# Altium PCB miniBackplane.PcbDoc (part 11 of 24) (continued)
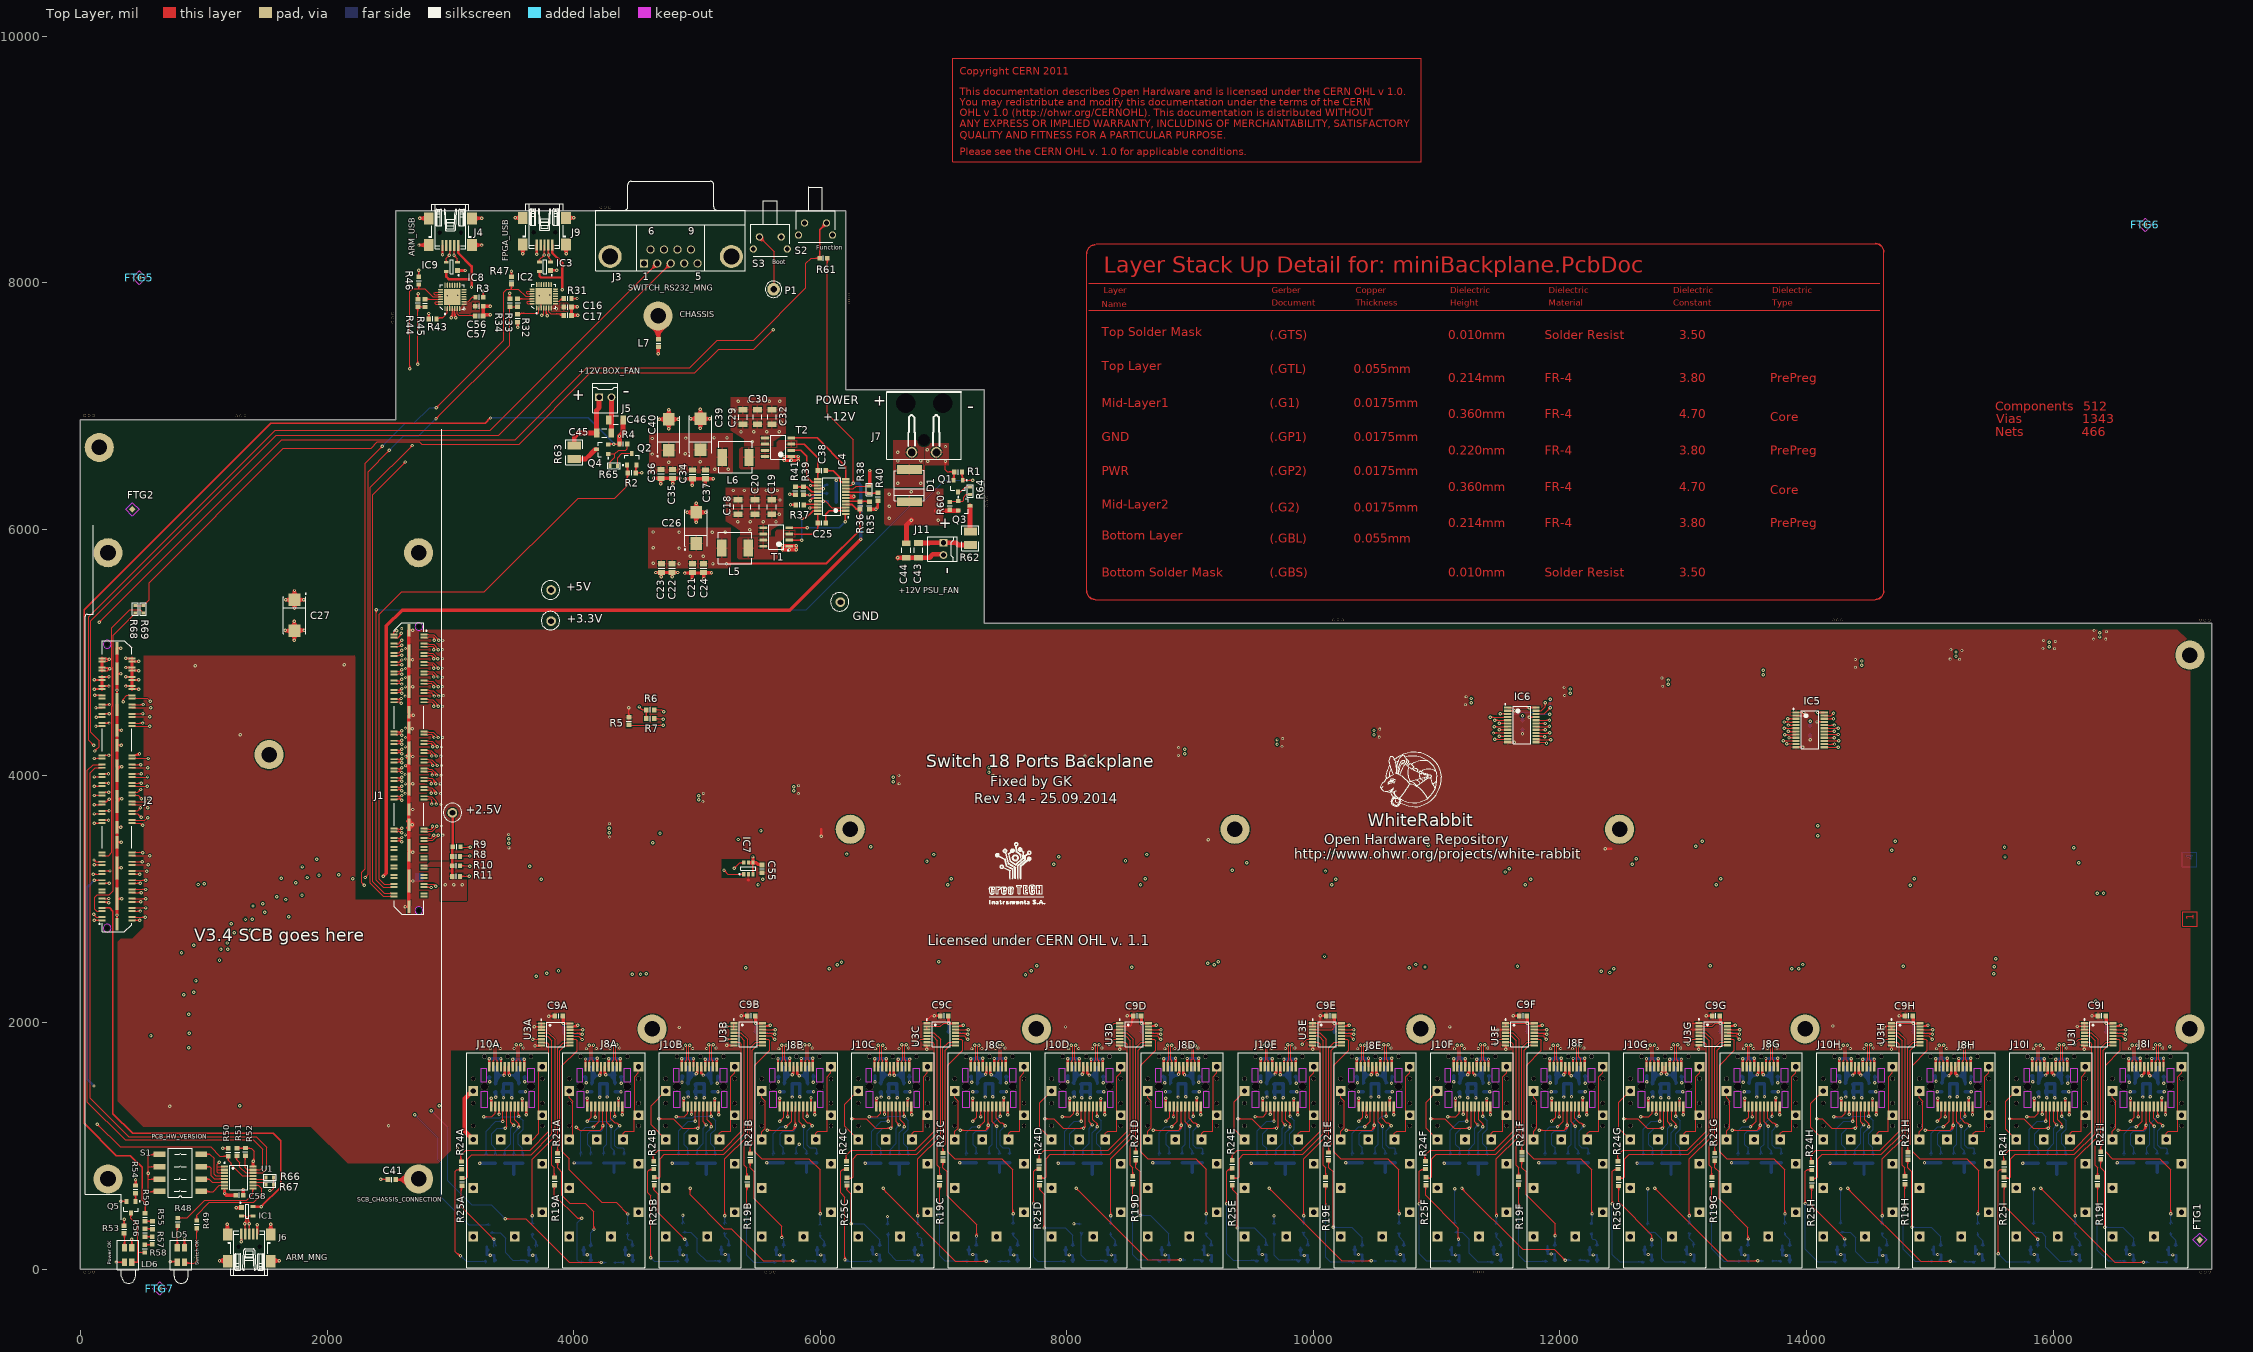
[diagram p0: Top Layer view]
## Nets (pads, with @x,y where several pads share a name; then routed paths per layer and width w, separated by ;. In a path a pad name is that pad's centre, name@x,y a point inside that pad or via, vN(x,y) a via of type N, cw(c..) or ccw(c..) an arc to the next point about the centre after c; other vN are vias at no path point) (continued)
3314.98,1537.02 ; 3356.31,99.36 ccw(c3398.27,99.36) 3368.6,69.69 cw(c3398.27,99.36) 3356.31,99.36 ; LD3A.1@3631.43,155.35 cw(c3616.02,139.94) 3637.81,139.94 ccw(c3616.02,139.94) LD3A.1@3631.43,155.35 ; 3637.81,130.43 cw(c3673.05,130.43) 3648.13,155.35 ccw(c3673.05,130.43) 3637.81,130.43 ; 3694.9,99.36 ccw(c3736.85,99.36) 3707.19,69.69 cw(c3736.85,99.36) 3694.9,99.36 ; LD2A.1@4072.37,155.35 cw(c4047.46,130.43) 4082.69,130.43 ccw(c4047.46,130.43) LD2A.1@4072.37,155.35 ; 4082.69,139.94 cw(c4104.49,139.94) 4089.08,155.35 ccw(c4104.49,139.94) 4082.69,139.94 ; C4A.2@4086.85,1558.6 cw(c4049.36,1521.11) 4102.38,1521.11 ccw(c4049.36,1521.11) C4A.2@4086.85,1558.6 ; 5165.76,1532.27 cw(c5205.34,1532.27) 5177.36,1560.26 ccw(c5205.34,1532.27) 5165.76,1532.27 ; LD4C.1@6415.29,157.01 cw(c6390.37,132.1) 6425.61,132.1 ccw(c6390.37,132.1) LD4C.1@6415.29,157.01 ; 6425.61,141.6 cw(c6447.4,141.6) 6431.99,157.01 ccw(c6447.4,141.6) 6425.61,141.6 ; 6722.44,1529.02 ccw(c6738.67,1529.02) 6727.19,1517.55 cw(c6738.67,1529.02) 6722.44,1529.02 ; C4C.2@7217.16,1560.27 cw(c7189.18,1532.28) 7228.76,1532.28 ccw(c7189.18,1532.28) C4C.2@7217.16,1560.27 ; 9071.28,1532.28 cw(c9110.86,1532.28) 9082.87,1560.27 ccw(c9110.86,1532.28) 9071.28,1532.28 ; LD1D.1@9104.26,157.01 cw(c9074.59,127.34) 9116.55,127.34 ccw(c9074.59,127.34) LD1D.1@9104.26,157.01 ; LD1D.4@9163.32,71.35 ccw(c9133.65,101.02) 9175.61,101.02 cw(c9133.65,101.02) LD1D.4@9163.32,71.35 ; C15E.1@9851.02,1560.27 cw(c9823.03,1532.28) 9862.61,1532.28 ccw(c9823.03,1532.28) C15E.1@9851.02,1560.27 ; C4E.2@10343.15,1560.27 cw(c10305.66,1522.77) 10358.68,1522.77 ccw(c10305.66,1522.77) C4E.2@10343.15,1560.27 ; 10634.27,1532.28 cw(c10673.85,1532.28) 10645.86,1560.27 ccw(c10673.85,1532.28) 10634.27,1532.28 ; LD4F.1@11111.7,157.01 cw(c11082.04,127.34) 11123.99,127.34 ccw(c11082.04,127.34) LD4F.1@11111.7,157.01 ; LD4F.4@11170.76,71.35 ccw(c11141.09,101.02) 11183.05,101.02 cw(c11141.09,101.02) LD4F.4@11170.76,71.35 ; C4F.2@11909.64,1560.27 cw(c11879.62,1530.25) 11922.08,1530.25 ccw(c11879.62,1530.25) C4F.2@11909.64,1560.27 ; LD3G.1@13017.22,157.01 cw(c12987.55,127.34) 13029.5,127.34 ccw(c12987.55,127.34) LD3G.1@13017.22,157.01 ; LD3G.4@13076.27,71.35 ccw(c13046.6,101.02) 13088.56,101.02 cw(c13046.6,101.02) LD3G.4@13076.27,71.35 ; LD2G.1@13458.16,157.01 cw(c13428.49,127.34) 13470.45,127.34 ccw(c13428.49,127.34) LD2G.1@13458.16,157.01 ; C4G.2@13472.64,1560.27 cw(c13435.14,1522.77) 13488.17,1522.77 ccw(c13435.14,1522.77) C4G.2@13472.64,1560.27 ; LD2G.4@13517.22,71.35 ccw(c13487.55,101.02) 13529.5,101.02 cw(c13487.55,101.02) LD2G.4@13517.22,71.35 ; 14588.56,127.34 cw(c14630.51,127.34) 14600.85,157.01 ccw(c14630.51,127.34) 14588.56,127.34 ; 14647.61,101.02 ccw(c14689.57,101.02) 14659.9,71.35 cw(c14689.57,101.02) 14647.61,101.02 ; LD2H.1@15021.15,157.01 cw(c14991.49,127.34) 15033.44,127.34 ccw(c14991.49,127.34) LD2H.1@15021.15,157.01 ; C4H.2@15035.63,1564.2 cw(c14999.26,1527.83) 15050.69,1527.83 ccw(c14999.26,1527.83) C4H.2@15035.63,1564.2 ; LD2H.4@15080.21,71.35 ccw(c15050.54,101.02) 15092.5,101.02 cw(c15050.54,101.02) LD2H.4@15080.21,71.35 ; 15330.68,1532.28 cw(c15370.26,1532.28) 15342.28,1560.27 ccw(c15370.26,1532.28) 15330.68,1532.28 ; 15368.09,127.34 cw(c15410.04,127.34) 15380.38,157.01 ccw(c15410.04,127.34) 15368.09,127.34 ; 15427.14,101.02 ccw(c15469.1,101.02) 15439.43,71.35 cw(c15469.1,101.02) 15427.14,101.02 ; C4I.2@16603.62,1564.2 cw(c16566.21,1526.79) 16619.12,1526.79 ccw(c16566.21,1526.79) C4I.2@16603.62,1564.2 ; LD1I.1@16927.73,157.01 cw(c16898.06,127.34) 16940.02,127.34 ccw(c16898.06,127.34) LD1I.1@16927.73,157.01 ; LD1I.4@16986.78,71.35 ccw(c16957.11,101.02) 16999.07,101.02 cw(c16957.11,101.02) LD1I.4@16986.78,71.35
  Bottom Layer w27.56: v1(3316.46,1705.17) v1@3410.43,1705.17 ; v1(3368.17,1393.46) C12A.2@3368.17,1436.96 ; v1(3505.43,1701.2) v1@3599.41,1701.2 ; C14A.2@3561.17,1436.96 v1(3609.67,1436.96) ; v1(4096.46,1703.75) v1@4186.46,1703.75 ; v1(4109.67,1436.96) C5A.2@4148.17,1436.96 ; v1(4285.43,1706.2) v1@4379.41,1706.2 ; C7A.2@4336.17,1436.96 v1(4384.67,1436.96) ; v1(4877.91,1706.83) v1@4971.89,1706.83 ; v1(4879.43,1515.74) 4879.63,1515.94 C11B.2@4879.63,1568.61 ; v1(4929.63,1395.11) C12B.2@4929.63,1438.61 ; v1(5066.89,1702.85) v1@5160.87,1702.85 ; C14B.2@5122.62,1438.61 v1(5171.13,1438.61) ; v1(5657.91,1705.4) v1@5747.91,1705.4 ; v1(5671.13,1438.61) C5B.2@5709.63,1438.61 ; v1(5846.89,1707.85) v1@5940.87,1707.85 ; C7B.2@5897.62,1438.61 v1(5946.13,1438.61) ; C28.1@6130.32,6220.94 C31.2@6130.32,6290.94 R42.2@6130.32,6360.94 v1@6130.32,6391.75 ; v1(6442.91,1706.83) v1@6536.89,1706.83 ; v1(6444.63,1520.12) C11C.2@6444.63,1568.62 ; v1(6494.63,1395.12) C12C.2@6494.63,1438.62 ; v1(6631.89,1702.86) v1@6725.87,1702.86 ; C14C.2@6687.62,1438.62 v1(6728.35,1438.62) ; v1(7222.91,1705.41) v1@7312.91,1705.41 ; v1(7236.13,1438.62) C5C.2@7274.63,1438.62 ; v1(7411.89,1707.86) v1@7505.87,1707.86 ; C7C.2@7462.62,1438.62 v1(7511.13,1438.62) ; v1(8007.91,1706.83) v1@8101.89,1706.83 ; v1(8009.63,1520.12) C11D.2@8009.63,1568.62 ; v1(8059.63,1395.12) C12D.2@8059.63,1438.62 ; v1(8196.89,1702.86) v1@8290.87,1702.86 ; C14D.2@8252.62,1438.62 v1(8301.13,1438.62) ; v1(8787.91,1705.41) v1@8877.91,1705.41 ; v1(8793.37,1511.8) C4D.2@8793.37,1554.88 ; v1(8801.13,1438.62) C5D.2@8839.63,1438.62 ; v1(8976.89,1707.86) v1@9070.87,1707.86 ; C7D.2@9027.62,1438.62 v1(9076.13,1438.62) ; v1(9572.91,1706.83) v1@9666.89,1706.83 ; v1(9574.63,1520.12) C11E.2@9574.63,1568.62 ; v1(9624.63,1395.12) C12E.2@9624.63,1438.62 ; v1(9761.89,1702.86) v1@9855.87,1702.86 ; C14E.2@9817.62,1438.62 v1(9866.13,1438.62) ; v1(10352.91,1705.41) v1@10442.91,1705.41 ; v1(10366.13,1438.62) C5E.2@10404.63,1438.62 ; v1(10541.89,1707.86) v1@10635.87,1707.86 ; C7E.2@10592.62,1438.62 v1(10641.13,1438.62) ; v1(11137.48,1706.83) v1@11231.46,1706.83 ; v1(11139.2,1520.12) C11F.2@11139.2,1568.62 ; v1(11189.2,1395.12) C12F.2@11189.2,1438.62 ; v1(11326.46,1702.86) v1@11420.43,1702.86 ; C14F.2@11382.19,1438.62 v1(11430.69,1438.62) ; v1(11917.48,1705.41) v1@12007.48,1705.41 ; v1(11930.69,1438.62) C5F.2@11969.2,1438.62 ; v1(12106.46,1707.86) v1@12200.43,1707.86 ; C7F.2@12157.19,1438.62 v1(12205.69,1438.62) ; v1(12702.48,1706.83) v1@12796.46,1706.83 ; v1(12704.2,1520.12) C11G.2@12704.2,1568.62 ; v1(12754.2,1395.12) C12G.2@12754.2,1438.62 ; v1(12891.46,1702.86) v1@12985.43,1702.86 ; C14G.2@12947.19,1438.62 v1(12995.69,1438.62) ; v1(13482.48,1705.41) v1@13572.48,1705.41 ; v1(13495.69,1438.62) C5G.2@13534.2,1438.62 ; v1(13671.46,1707.86) v1@13765.43,1707.86 ; C7G.2@13722.19,1438.62 v1(13770.69,1438.62) ; v1(14267.48,1706.83) v1@14361.46,1706.83 ; v1(14269.2,1520.12) C11H.2@14269.2,1568.62 ; v1(14319.2,1395.12) C12H.2@14319.2,1438.62 ; v1(14456.46,1702.86) v1@14550.43,1702.86 ; C14H.2@14512.19,1438.62 v1(14560.69,1438.62) ; v1(15047.48,1705.41) v1@15137.48,1705.41 ; v1(15060.69,1438.62) C5H.2@15099.2,1438.62 ; v1(15236.46,1707.86) v1@15330.43,1707.86 ; C7H.2@15287.19,1438.62 v1(15335.69,1438.62) ; v1(15832.48,1706.83) v1@15926.46,1706.83 ; v1(15834.2,1520.12) C11I.2@15834.2,1568.62 ; v1(15884.2,1395.12) C12I.2@15884.2,1438.62 ; v1(16021.46,1702.86) v1@16115.43,1702.86 ; C14I.2@16077.19,1438.62 v1(16125.69,1438.62) ; v1(16612.48,1705.41) v1@16702.48,1705.41 ; v1(16625.69,1438.62) C5I.2@16664.2,1438.62 ; v1(16801.46,1707.86) v1@16895.43,1707.86 ; C7I.2@16852.19,1438.62 v1(16900.69,1438.62) ; C12A.2@3359.69,1432.5 cw(c3339.22,1412.02) 3368.17,1412.02 ccw(c3339.22,1412.02) C12A.2@3359.69,1432.5 ; 4120.44,1703.75 ccw(c4120.44,1731.71) 4140.21,1711.94 cw(c4120.44,1731.71) 4120.44,1703.75 ; C3A.1@4149.13,1711.94 ccw(c4168.9,1731.71) 4168.9,1703.75 cw(c4168.9,1731.71) C3A.1@4149.13,1711.94 ; 4879.63,1544.84 cw(c4905.38,1544.84) 4887.17,1563.04 ccw(c4905.38,1544.84) 4879.63,1544.84 ; C12B.2@4921.15,1434.15 cw(c4900.68,1413.68) 4929.63,1413.68 ccw(c4900.68,1413.68) C12B.2@4921.15,1434.15 ; 5681.89,1705.4 ccw(c5681.89,1733.36) 5701.66,1713.59 cw(c5681.89,1733.36) 5681.89,1705.4 ; C3B.1@5710.59,1713.59 ccw(c5730.36,1733.36) 5730.36,1705.4 cw(c5730.36,1733.36) C3B.1@5710.59,1713.59 ; C12C.2@6486.15,1434.16 cw(c6465.68,1413.69) 6494.63,1413.69 ccw(c6465.68,1413.69) C12C.2@6486.15,1434.16 ; 6656.03,1702.86 ccw(c6656.03,1727.83) 6673.69,1710.17 cw(c6656.03,1727.83) 6656.03,1702.86 ; C13C.2@6682.61,1710.17 ccw(c6700.27,1727.83) 6700.27,1702.86 cw(c6700.27,1727.83) C13C.2@6682.61,1710.17 ; 7246.89,1705.41 ccw(c7246.89,1733.37) 7266.66,1713.6 cw(c7246.89,1733.37) 7246.89,1705.41 ; C3C.1@7275.59,1713.6 ccw(c7295.36,1733.37) 7295.36,1705.41 cw(c7295.36,1733.37) C3C.1@7275.59,1713.6 ; C12D.2@8051.15,1434.16 cw(c8030.68,1413.69) 8059.63,1413.69 ccw(c8030.68,1413.69) C12D.2@8051.15,1434.16 ; C4D.2@8782.94,1563.05 cw(c8757.75,1537.86) 8793.37,1537.86 ccw(c8757.75,1537.86) C4D.2@8782.94,1563.05 ; 8811.89,1705.41 ccw(c8811.89,1733.37) 8831.66,1713.6 cw(c8811.89,1733.37) 8811.89,1705.41 ; C3D.1@8840.59,1713.6 ccw(c8860.36,1733.37) 8860.36,1705.41 cw(c8860.36,1733.37) C3D.1@8840.59,1713.6 ; C12E.2@9616.15,1434.16 cw(c9595.68,1413.69) 9624.63,1413.69 ccw(c9595.68,1413.69) C12E.2@9616.15,1434.16 ; 10376.89,1705.41 ccw(c10376.89,1733.37) 10396.66,1713.6 cw(c10376.89,1733.37) 10376.89,1705.41 ; C3E.1@10405.59,1713.6 ccw(c10425.36,1733.37) 10425.36,1705.41 cw(c10425.36,1733.37) C3E.1@10405.59,1713.6 ; 11158.22,1706.83 ccw(c11158.22,1738.42) 11180.55,1716.09 cw(c11158.22,1738.42) 11158.22,1706.83 ; C12F.2@11180.72,1434.16 cw(c11160.24,1413.69) 11189.2,1413.69 ccw(c11160.24,1413.69) C12F.2@11180.72,1434.16 ; C10F.1@11189.48,1716.09 ccw(c11211.82,1738.42) 11211.82,1706.83 cw(c11211.82,1738.42) C10F.1@11189.48,1716.09 ; 11347.1,1702.86 ccw(c11347.1,1734.58) 11369.53,1712.15 cw(c11347.1,1734.58) 11347.1,1702.86 ; C13F.2@11378.46,1712.15 ccw(c11400.89,1734.58) 11400.89,1702.86 cw(c11400.89,1734.58) C13F.2@11378.46,1712.15 ; 11941.46,1705.41 ccw(c11941.46,1733.37) 11961.23,1713.6 cw(c11941.46,1733.37) 11941.46,1705.41 ; C3F.1@11970.16,1713.6 ccw(c11989.93,1733.37) 11989.93,1705.41 cw(c11989.93,1733.37) C3F.1@11970.16,1713.6 ; C12G.2@12745.72,1434.16 cw(c12725.24,1413.69) 12754.2,1413.69 ccw(c12725.24,1413.69) C12G.2@12745.72,1434.16 ; 13506.46,1705.41 ccw(c13506.46,1733.37) 13526.23,1713.6 cw(c13506.46,1733.37) 13506.46,1705.41 ; C3G.1@13535.16,1713.6 ccw(c13554.93,1733.37) 13554.93,1705.41 cw(c13554.93,1733.37) C3G.1@13535.16,1713.6 ; C11H.2@14258.88,1566.99 cw(c14233.99,1542.09) 14269.2,1542.09 ccw(c14233.99,1542.09) C11H.2@14258.88,1566.99 ; C12H.2@14310.72,1434.16 cw(c14290.24,1413.69) 14319.2,1413.69 ccw(c14290.24,1413.69) C12H.2@14310.72,1434.16 ; 15071.46,1705.41 ccw(c15071.46,1733.37) 15091.23,1713.6 cw(c15071.46,1733.37) 15071.46,1705.41 ; C3H.1@15100.16,1713.6 ccw(c15119.93,1733.37) 15119.93,1705.41 cw(c15119.93,1733.37) C3H.1@15100.16,1713.6 ; C11I.2@15826.88,1566.99 cw(c15809.2,1549.31) 15834.2,1549.31 ccw(c15809.2,1549.31) C11I.2@15826.88,1566.99 ; C12I.2@15875.72,1434.16 cw(c15855.24,1413.69) 15884.2,1413.69 ccw(c15855.24,1413.69) C12I.2@15875.72,1434.16 ; 16636.46,1705.41 ccw(c16636.46,1733.37) 16656.23,1713.6 cw(c16636.46,1733.37) 16636.46,1705.41 ; C3I.1@16665.16,1713.6 ccw(c16684.93,1733.37) 16684.93,1705.41 cw(c16684.93,1733.37) C3I.1@16665.16,1713.6
  other v1: 844,244 2499,1162 726,1319 6458.66,1386.16 4385.84,1506.22 6724.41,1514.76 11496.04,1940.95 4855.91,1959.6 7989.76,1963.54 11107.44,1963.54 14213.74,1971.42 9146.83,3483.22 1297,4334 931,4892 2139,4902 1660.58,5179.94 5914.2,6172.87 5674.2,6237.87 5267.44,6248.32 5296.04,6315.24 5384.93,6315.24 5473.82,6315.24 5562.72,6315.24 5651.61,6315.24 6129.2,6397.87 6871.36,6551.46 6869.8,6645.95 7016.36,6671.46 5689.2,6967.87 5306.81,6968.79 5334.37,7039.65 5419.02,7039.65 5503.66,7039.65 5588.31,7039.65 5672.95,7039.65 2976,7893 3719.67,7892.76 3062,7898 3806.29,7900.64
  other v2: 3323.98,1787 4103.98,1787 4885.43,1787 5665.43,1787 6447.93,1787 7230.43,1787 8015.43,1787 8795.43,1787 9580.43,1787 10360.43,1787 11145,1787 11925,1787 12710,1787 13490,1787 14275,1787 15055,1787 15840,1787 16620,1787 12102,1788 3404.98,1789 3516.98,1789 4184.98,1789 4296.98,1789 4966.43,1789 5078.43,1789 5746.43,1789 5858.43,1789 6528.93,1789 6640.93,1789 7311.43,1789 7423.43,1789 8096.43,1789 8208.43,1789 8876.43,1789 9661.43,1789 9773.43,1789 10441.43,1789 10553.43,1789 11226,1789 11338,1789 12006,1789 12791,1789 12903,1789 13571,1789 13683,1789 14356,1789 14468,1789 15136,1789 15248,1789 15921,1789 16033,1789 16701,1789 16813,1789 8980,1790 3593.98,1793 4373.98,1793 5155.43,1793 5935.43,1793 6717.93,1793 7500.43,1793 8285.43,1793 9065.43,1793 9850.43,1793 10630.43,1793 11415,1793 12195,1793 12980,1793 13760,1793 14545,1793 15325,1793 16110,1793 16890,1793 3475.15,3416.58 4292,3503 2940,3520 2636,3521 3473.15,3525.58 2929,3593 4290,3612 2925,3769 5049,3792 2921,3857 5824,3857 5052,3858 2633,3859 5825,3920 2636,3935 2917,3935 6640,3936 6638,4004 2925,4005 7401,4005 2634,4010 7400,4080 2638,4082 2928,4084 8144,4098 2640,4159 2923,4160 8148,4160 8906,4167 8908,4230 2636,4236 2929,4236 9746,4237 9752,4303 2637,4310 2939,4312 10535,4315 10539,4380 2635,4387 2939,4565 11234,4577 11239,4642 2634,4647 2943,4651 12038,4652 12034,4718 2636,4722 2937,4724 12834,4727 12827,4794 2637,4799 2938,4800 2637,4870 2935,4873 14397,4881 14396,4944 15242,4946 15165,4947 2637,4948 2937,4950 15261,5017 2938,5025 15171,5025 16013,5031 2636,5032 15917,5032 16018,5091 2940,5099 15923,5099 16329,5109 16427,5110 16433,5169 16333,5178 2606,5194
I2C_DL_SC0: IC5.18 J10I.5 R30I.1 | length 5867.2
  Top Layer w7.87: IC5.18@14143.78,4360.24 14226.38,4360.24 14226.09,4360.53 v1(14226.09,4361.43) ; v1(15646.75,1220.56) 15761.75,1220.56 15838.68,1143.62 v1(15960.69,1143.62) 15974.21,1157.14 ; J10I.5@15974.21,1320.05 15974.21,1157.14 ; 15670.51,1220.56 ccw(c15670.51,1196.8) 15653.71,1213.6 cw(c15670.51,1196.8) 15670.51,1220.56 ; 15670.51,1220.56 cw(c15670.51,1244.32) 15653.71,1227.52 ccw(c15670.51,1244.32) 15670.51,1220.56 ; 15936.93,1143.62 ccw(c15936.93,1167.38) 15953.73,1150.58 cw(c15936.93,1167.38) 15936.93,1143.62 ; 15936.93,1143.62 cw(c15936.93,1119.86) 15953.73,1136.66 ccw(c15936.93,1119.86) 15936.93,1143.62 ; 15974.21,1157.14 ccw(c15983.86,1147.49) 15970.4,1145.24 cw(c15983.86,1147.49) 15974.21,1157.14 ; 15974.21,1157.14 cw(c15964.56,1166.79) 15962.31,1153.33 ccw(c15964.56,1166.79) 15974.21,1157.14 ; 15974.21,1274.6 ccw(c15959.96,1274.6) 15970.04,1284.68 cw(c15959.96,1274.6) 15974.21,1274.6 ; 15974.21,1274.6 cw(c15988.47,1274.6) 15978.39,1284.68 ccw(c15988.47,1274.6) 15974.21,1274.6 ; IC5.18@14167.42,4357.27 cw(c14174.58,4350.1) 14174.58,4360.24 ccw(c14174.58,4350.1) IC5.18@14167.42,4357.27 ; IC5.18@14167.42,4364.23 ccw(c14177.05,4373.86) 14177.05,4360.24 cw(c14177.05,4373.86) IC5.18@14167.42,4364.23 ; 14199.44,4360.24 ccw(c14199.44,4388.09) 14219.13,4368.39 cw(c14199.44,4388.09) 14199.44,4360.24 ; 14205.22,4360.24 cw(c14205.22,4340.56) 14219.13,4354.47 ccw(c14205.22,4340.56) 14205.22,4360.24
  Mid-Layer 1 w7.09: v1@14226.38,4360.75 14812.48,4360.75 15649.61,3523.62 15649.61,3381.89 v1(15610.24,3342.52) ; 15627.71,3359.99 ccw(c15645.18,3342.52) 15620.47,3342.52 cw(c15645.18,3342.52) 15627.71,3359.99 ; 15627.71,3359.99 cw(c15610.24,3377.47) 15610.24,3352.76 ccw(c15610.24,3377.47) 15627.71,3359.99 ; v1@14233.33,4354.2 cw(c14249.15,4338.38) 14249.15,4360.75 ccw(c14249.15,4338.38) v1@14233.33,4354.2 ; v1@14233.33,4368.67 ccw(c14252.45,4387.8) 14252.45,4360.75 cw(c14252.45,4387.8) v1@14233.33,4368.67
  Mid-Layer 2 w7.09: v1(15610.24,3342.52) 15625.71,3327.05 ; 15625.71,1240.56 15625.71,3327.05 ; 15626.75,1240.56 v1(15646.75,1220.56) ; 15625.71,3327.05 ccw(c15612.79,3314.13) 15611.15,3332.32 cw(c15612.79,3314.13) 15625.71,3327.05 ; 15625.71,3327.05 cw(c15638.62,3339.96) 15620.43,3341.6 ccw(c15638.62,3339.96) 15625.71,3327.05 ; 15629.27,1238.03 ccw(c15646.75,1255.51) 15646.75,1230.8 cw(c15646.75,1255.51) 15629.27,1238.03 ; 15629.27,1238.03 cw(c15611.8,1220.56) 15636.51,1220.56 ccw(c15611.8,1220.56) 15629.27,1238.03
  Bottom Layer w7.87: R30I.1@15881.38,922.53 15881.38,977.94 15850.69,1008.62 15850.69,1098.62 15895.69,1143.62 v1(15960.69,1143.62) ; 15881.38,955.79 ccw(c15914.64,955.79) 15891.12,932.27 cw(c15914.64,955.79) 15881.38,955.79 ; 15881.38,955.79 cw(c15848.11,955.79) 15871.63,932.27 ccw(c15848.11,955.79) 15881.38,955.79 ; 15936.93,1143.62 ccw(c15936.93,1167.38) 15953.73,1150.58 cw(c15936.93,1167.38) 15936.93,1143.62 ; 15936.93,1143.62 cw(c15936.93,1119.86) 15953.73,1136.66 ccw(c15936.93,1119.86) 15936.93,1143.62
I2C_DL_SC1: IC5.20 J8I.5 R16I.1 | length 6774.8
  Top Layer w7.87: IC5.20@14143.74,4412.4 14226.38,4412.4 14226.16,4412.62 v1(14226.09,4412.62) ; v1(16526.75,1125.56) 16731.75,1125.56 ; 16741.46,1138.73 cw(c16778.4,1134.28) v1@16755.43,1163.55 ; v1@16746.47,1159.03 cw(c16732.88,1148.36) 16750.03,1146.3 ; J8I.5@16754.21,1320.05 v1(16754.21,1165.1) 16754.21,1148.02 ; 16550.51,1125.56 ccw(c16550.51,1101.8) 16533.71,1118.6 cw(c16550.51,1101.8) 16550.51,1125.56 ; 16550.51,1125.56 cw(c16550.51,1149.32) 16533.71,1132.52 ccw(c16550.51,1149.32) 16550.51,1125.56 ; 16731.75,1125.56 ccw(c16699.95,1157.36) 16744.47,1163.71 cw(c16699.95,1157.36) 16731.75,1125.56 ; 16731.75,1125.56 16754.21,1148.02 ; 16754.21,1148.02 ccw(c16744.32,1148.02) 16749.28,1156.59 cw(c16744.32,1148.02) 16754.21,1148.02 ; 16754.21,1148.02 cw(c16764.11,1148.02) 16759.15,1156.59 ccw(c16764.11,1148.02) 16754.21,1148.02 ; 16754.21,1188.86 ccw(c16777.97,1188.86) 16761.17,1172.06 cw(c16777.97,1188.86) 16754.21,1188.86 ; 16754.21,1188.86 cw(c16730.45,1188.86) 16747.25,1172.06 ccw(c16730.45,1188.86) 16754.21,1188.86 ; 16754.21,1274.6 ccw(c16739.96,1274.6) 16750.04,1284.68 cw(c16739.96,1274.6) 16754.21,1274.6 ; 16754.21,1274.6 cw(c16768.47,1274.6) 16758.39,1284.68 ccw(c16768.47,1274.6) 16754.21,1274.6 ; IC5.20@14167.42,4408.45 cw(c14176.96,4398.91) 14176.96,4412.4 ccw(c14176.96,4398.91) IC5.20@14167.42,4408.45 ; IC5.20@14167.42,4415.41 ccw(c14174.68,4422.67) 14174.68,4412.4 cw(c14174.68,4422.67) IC5.20@14167.42,4415.41 ; 14201.81,4412.4 ccw(c14201.81,4436.9) 14219.13,4419.58 cw(c14201.81,4436.9) 14201.81,4412.4 ; 14202.85,4412.4 cw(c14202.85,4389.37) 14219.13,4405.66 ccw(c14202.85,4389.37) 14202.85,4412.4 ; 16742.89,1136.7 ccw(c16719.44,1160.14) 16752.26,1164.82 cw(c16719.44,1160.14) 16742.89,1136.7 ; 16754.02,1147.83 ccw(c16738.94,1162.92) 16760.06,1165.94 cw(c16738.94,1162.92) 16754.02,1147.83
  Mid-Layer 1 w7.09: v1@14226.38,4411.93 15233.74,4411.93 16208.66,3437.01 v1@16208.66,3307.09 ; 16208.66,3319.99 ccw(c16233.37,3319.99) 16215.9,3302.51 cw(c16233.37,3319.99) 16208.66,3319.99 ; 16208.66,3319.99 cw(c16183.95,3319.99) 16201.42,3302.51 ccw(c16183.95,3319.99) 16208.66,3319.99 ; v1@14233.33,4405.38 cw(c14249.14,4389.57) 14249.14,4411.93 ccw(c14249.14,4389.57) v1@14233.33,4405.38 ; v1@14233.33,4419.85 ccw(c14252.46,4438.99) 14252.46,4411.93 cw(c14252.46,4438.99) v1@14233.33,4419.85
  Mid-Layer 2 w7.09: v1(16208.66,3295.28) 16208.66,3181.1 16250.71,3139.06 16250.71,1902.83 16326.75,1826.8 16326.75,1245.56 16446.75,1125.56 v1(16526.75,1125.56) ; 16208.66,3270.56 ccw(c16183.95,3270.56) 16201.42,3288.04 cw(c16183.95,3270.56) 16208.66,3270.56 ; 16208.66,3270.56 cw(c16233.37,3270.56) 16215.9,3288.04 ccw(c16233.37,3270.56) 16208.66,3270.56 ; 16502.04,1125.56 ccw(c16502.04,1150.27) 16519.51,1132.8 cw(c16502.04,1150.27) 16502.04,1125.56 ; 16502.04,1125.56 cw(c16502.04,1100.85) 16519.51,1118.32 ccw(c16502.04,1100.85) 16502.04,1125.56
  Bottom Layer w7.87: R16I.1@16655.69,925.12 16655.69,983.62 16630.69,1008.62 16630.69,1098.62 16650.69,1118.62 16740.69,1118.62 16754.21,1132.14 v1(16754.21,1165.1) ; 16655.69,958.38 ccw(c16688.96,958.38) 16665.44,934.86 cw(c16688.96,958.38) 16655.69,958.38 ; 16655.69,958.38 cw(c16622.43,958.38) 16645.95,934.86 ccw(c16622.43,958.38) 16655.69,958.38 ; 16754.21,1141.34 ccw(c16730.45,1141.34) 16747.25,1158.14 cw(c16730.45,1141.34) 16754.21,1141.34 ; 16754.21,1141.34 cw(c16777.97,1141.34) 16761.17,1158.14 ccw(c16777.97,1141.34) 16754.21,1141.34